# Allegro board RK_EXCAVATOR_MAIN_V12_20161114_FZBFINAL.brd (continued)
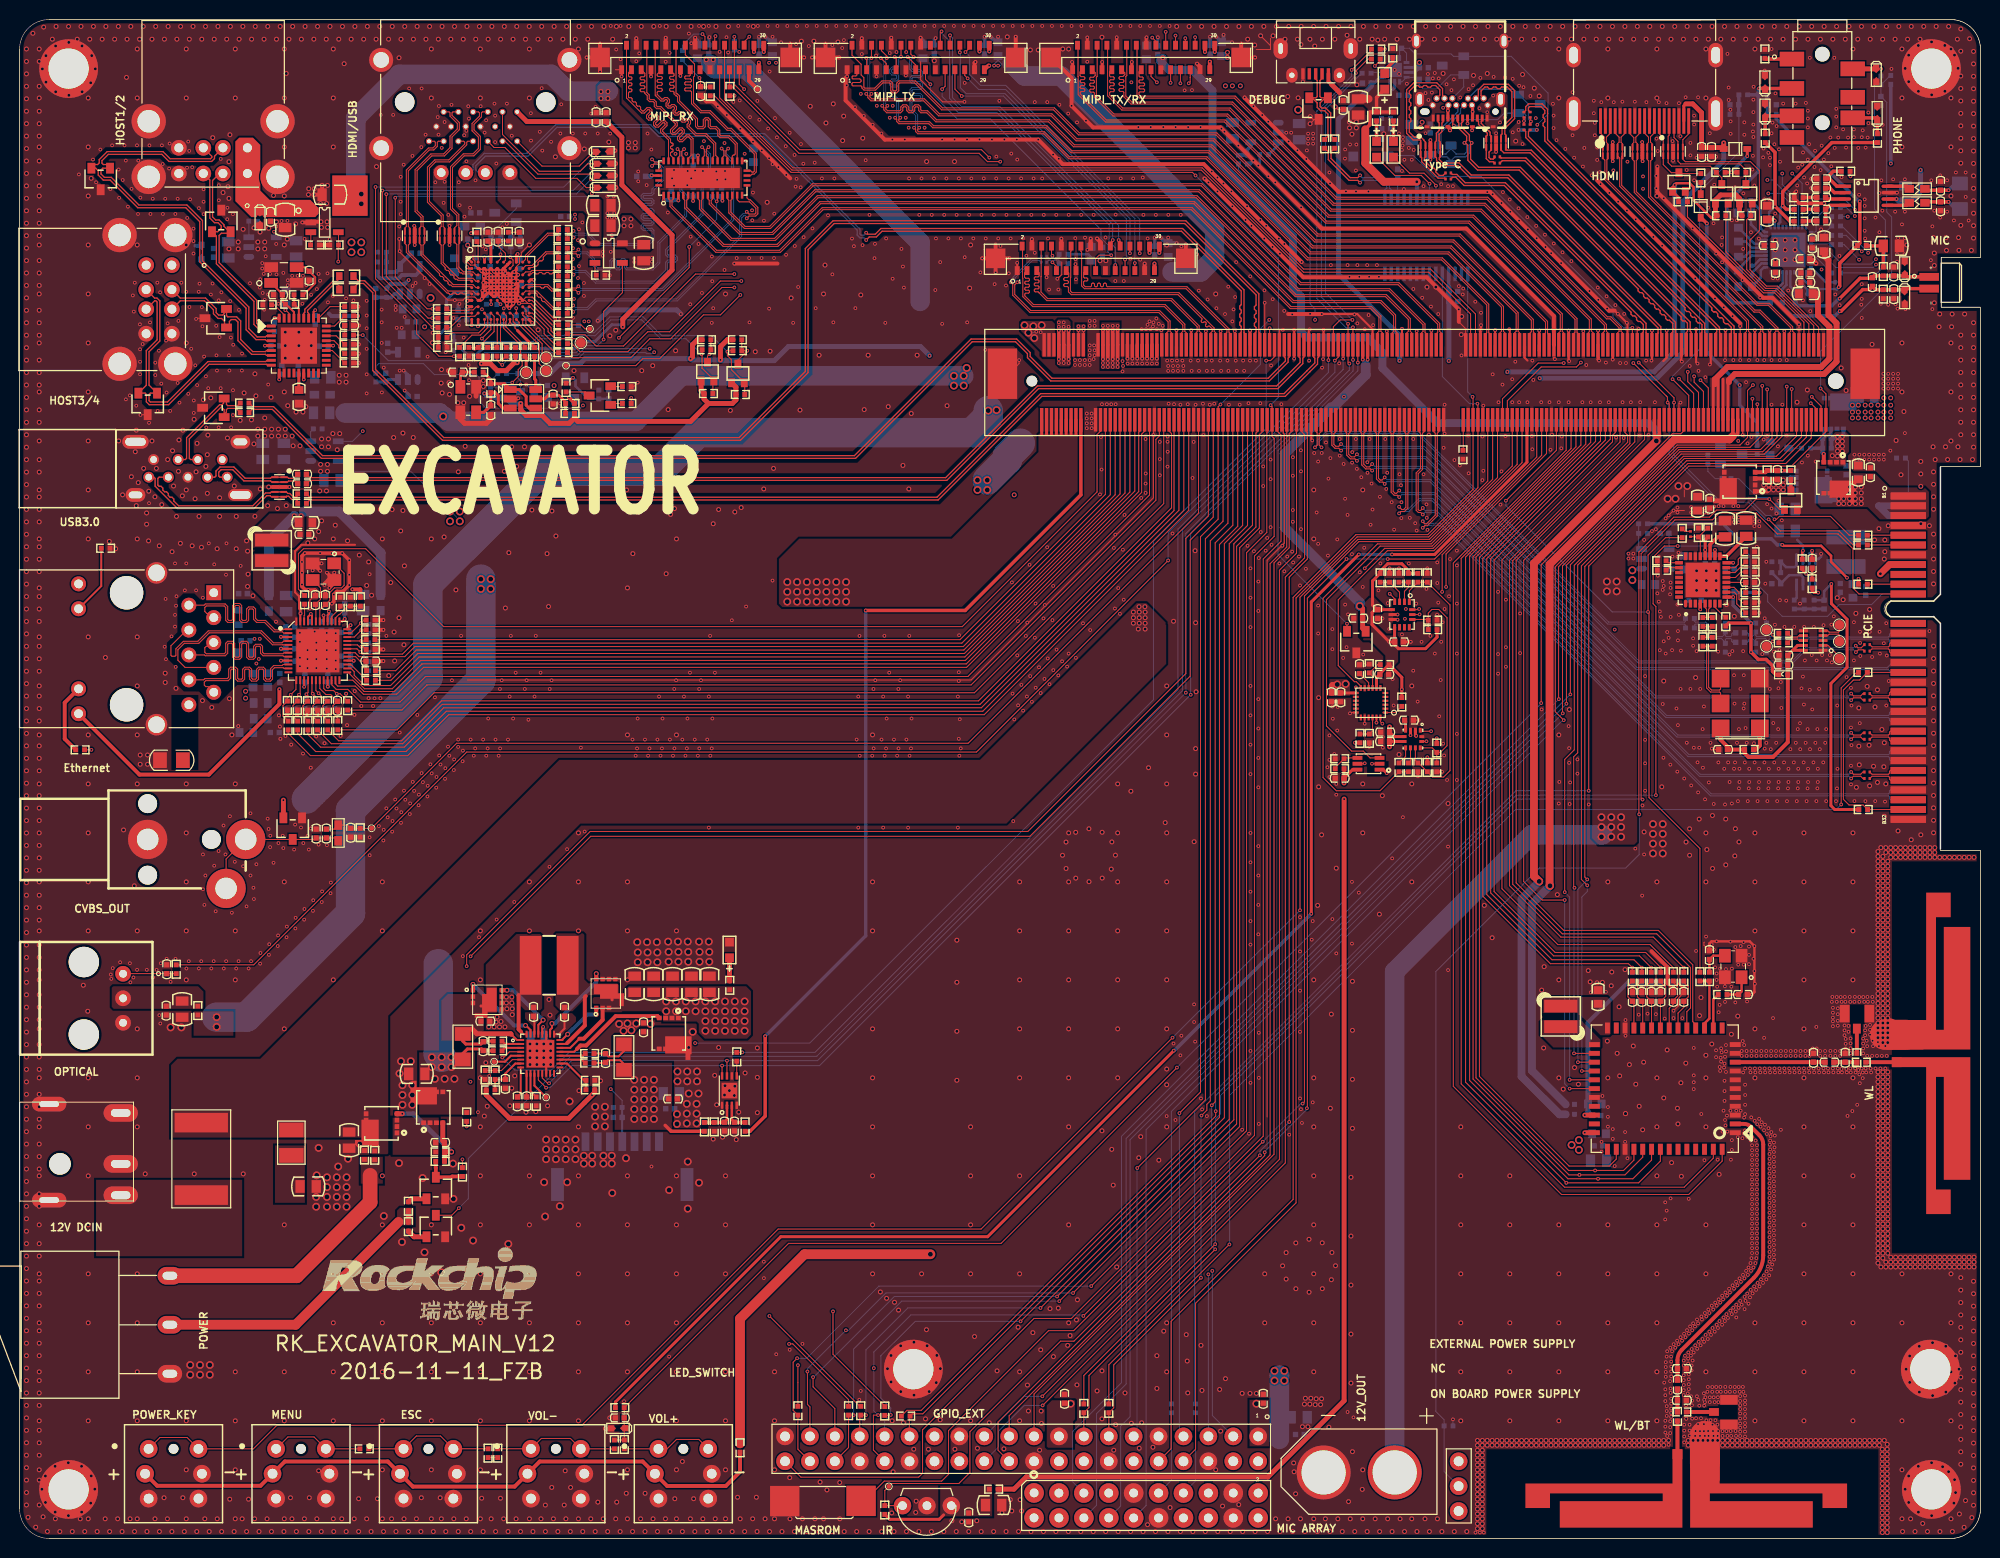
[diagram p0: board, top side]
#MIPI_RX0_D3P: length 17.7
  TOP w0.102: U4601.36 66.69,140.86 66.39,141.16 66.39,141.4 66.48,141.49 66.56,141.49 66.65,141.58 66.65,141.71 66.56,141.8 66.48,141.8 66.39,141.88 66.39,142.01 66.48,142.1 66.56,142.1 66.65,142.19 66.65,142.32 66.56,142.4 66.48,142.4 66.39,142.49 66.39,142.79 65.59,143.6 65.59,143.73 66.04,144.17 66.04,144.47 65.83,144.68 65.53,144.68 65.08,144.23 64.96,144.23 64.87,144.32 64.87,144.44 65.21,144.79 65.21,145.08 65.01,145.29 64.71,145.29 64.37,144.95 64.24,144.95 64.15,145.04 64.15,145.16 64.5,145.51 64.5,145.8 64.29,146.01 63.99,146.01 63.65,145.67 63.52,145.67 63.34,145.85 63.34,146.06 63.23,146.17 63.02,146.17 62.91,146.28 62.91,146.49 62.8,146.6 62.59,146.6 62.48,146.71 62.48,146.92 62.37,147.03 62.16,147.03 62.11,147.08 62.11,147.55 62.2,147.64 62.36,147.64 62.45,147.72 62.45,147.85 62.36,147.94 62.2,147.94 62.11,148.03 62.11,148.16 62.2,148.24 62.36,148.24 62.45,148.33 62.45,148.46 62.36,148.55 62.2,148.55 62.11,148.64 62.11,148.76 62.2,148.85 62.36,148.85 62.45,148.94 62.45,149.07 62.36,149.16 62.2,149.16 62.11,149.25 62.11,149.59 J4601.3
ADKEY_IN: length 163.1
  TOP w0.102: v1(155.2,85.25) 155.2,99.35 168.58,112.73 169.45,112.73 169.75,113.03 J9001.253 ; v1(118.05,48.05) 100.11,30.11 78.44,30.11 R8101.1 C8101.1 ED8101.1 61.67,10.06 R8102.1 R8103.1
  BOTTOM w0.102: v1(118.05,48.05) 155.2,85.2 v1(155.2,85.25)
ALRT_H: length 1.5
  TOP w0.102: U23033.5 R9023.1
BATT_TC_L: length 119.2
  TOP w0.102: J9001.92 128,120.6 127.6,120.2 v1(127.15,120.2)
  S1 w0.102: v1(68.9,50.55) 65,50.55 v1(60.3,45.85)
  BOTTOM w0.102: v1(68.9,50.55) 80.6,50.55 115.65,85.6 115.65,101.77 127.15,113.27 v1(127.15,120.2) ; v1(60.3,45.85) 61.46,44.69 R522.1
  BOTTOM w0.203: R522.1 C521.1 61.47,42.95 BAT501.4
BOARD_ID: length 3.1
  TOP w0.102: J9001.163 147.25,111.07 R9013.1
BT_HOST_WAKE_L: length 107.4
  TOP w0.102: J9001.205 157.75,111.05 146.23,99.54 146.23,46.14 157.27,35.1 170.25,35.1 173.66,38.51 U6101.50
BT_REG_ON_H: length 91
  TOP w0.102: J9001.217 160.75,111.95 148.9,100.11 148.9,47.15 158.05,38 162.15,38 162.86,38.71 U6101.38
BT_WAKE_L: length 104.6
  TOP w0.102: J9001.207 158.25,111.23 147.04,100.02 147.04,46.38 157.58,35.84 169.79,35.84 172.76,38.81 U6101.49
CABC_EN: length 144.9
  TOP w0.102: v1(117.4,148.55) 117.4,148.55 J4702.21 ; v1(169.25,118.35) 170.75,116.85 J9001.257 ; J4701.21 94.4,148.2 v1(94.1,147.9) ; J4601.25 73.4,148.4 v1(73.9,147.9) ; J5001.21 v1(111.75,129.95)
  S1 w0.102: v1(169.25,118.35) 168.93,118.67 157.33,118.67 147.7,128.3 124.32,128.3 123.68,128.93 112.77,128.93 v1(111.75,129.95) ; v1(73.9,147.9) 84.67,147.9 84.89,148.13 92.18,148.13 92.41,147.9 94.1,147.9 v1(94.1,147.9) 94.4,147.9 94.4,147.9 116.8,147.9 117.4,148.5 v1(117.4,148.55)
  BOTTOM w0.102: v1(94.1,147.9) 94.1,147.15 95.75,145.5 99.7,145.5 111.13,134.07 111.13,132.35 111.75,131.73 v1(111.75,129.95)
CDCM61101__REF_CLKN: length 1.8
  TOP w0.102: R8310.1 171.97,93.98 172.07,94.08 172.07,94.83 171.93,94.98 U8302.5
CDCM61101__REF_CLKP: length 1.8
  TOP w0.102: R8311.1 172.38,93.98 172.28,94.08 172.28,94.83 172.43,94.98 U8302.6
CHG_CC_INT_L: length 32
  TOP w0.102: J9001.116 134,123.65 134.7,124.35 v1(135.95,124.35)
  BOTTOM w0.102: v1(135.95,124.35) 133.2,127.1 133.2,145.85 136.87,149.52 R8928.2
CHG_OK_H: length 130.2
  TOP w0.102: v1(134.15,120.2) 134.5,120.55 J9001.118 ; v1(49.23,49.08) 49.23,49.08 49.37,49.08 49.96,49.66 U501.4 ; R9023.2 v1(73.7,49.6)
  BOTTOM w0.102: v1(49.23,49.08) 50.51,47.8 54.25,47.8 56.05,49.6 v1(73.7,49.6) 81.13,49.6 118.15,86.62 118.15,103 134.15,119 v1(134.15,120.2)
CLK125: length 1.8
  TOP w0.102: U2601.46 29.02,94.17 29.07,94.22 R2601.1
CLKN: length 8.8
  TOP w0.102: R9017.2 171.97,91.95 172.07,92.05 172.07,92.27 v1(171.79,92.55) 171.83,92.55 172.07,92.8 172.07,92.98 171.97,93.08 R8310.2
  BOTTOM w0.102: C8308.1 174.74,91.45 174.64,91.55 174.64,91.73 174.54,91.83 174.08,91.83 173.98,91.73 173.98,91.45 ; R8308.2 170.82,93.2 170.92,93.3 171.91,93.3 172.02,93.19 172.02,92.78 v1(171.79,92.55) 172.08,92.26 172.08,92.05 172.3,91.83 173.6,91.83 173.98,91.45 ; 173.98,91.45 R8304.2
CLKP: length 8.7
  TOP w0.102: R8311.2 172.38,93.08 172.28,92.98 172.28,92.73 v1(172.46,92.55) 172.28,92.37 172.28,92.05 172.38,91.95 R9018.2
  BOTTOM w0.102: R8309.2 170.82,93.6 170.92,93.5 172,93.5 172.23,93.27 172.23,92.78 v1(172.46,92.55) 172.29,92.38 172.29,92.13 172.39,92.03 173.68,92.03 173.98,92.33 ; C8309.1 174.74,92.41 174.64,92.31 174.64,92.13 174.54,92.03 174.08,92.03 173.98,92.13 173.98,92.33 ; 173.98,92.33 R8305.2
COMP_INT_L: length 57.2
  TOP w0.102: R8002.1 R8001.2 138.76,76.3 134.3,76.3 132.95,77.65 132.95,95.94 138.5,101.5 143.98,101.5 150.75,108.26 J9001.177
COMP_INT_L#: length 1.6
  TOP w0.102: R8002.2 141.87,79.35 U8001.8
CSI_CTL: length 138.7
  TOP w0.102: R9006.2 79.39,15.9 v1(79.39,17.68) ; v1(61.12,122.52) 68.3,129.7 v1(68.3,131.8) ; v1(71.1,136.45) 71.19,136.54 U4601.12
  S1 w0.102: v1(61.12,122.52) 57.9,119.3 57.9,78.45 78.94,57.41 78.94,18.13 v1(79.39,17.68)
  BOTTOM w0.102: R4604.1 70.65,136.9 v1(71.1,136.45) 71.1,134.6 v1(68.3,131.8)
CVBS_OUT: length 112.1
  TOP w0.102: J9001.61 120.25,104.65 96.75,81.15 44.58,81.15 TP9002.1 35.89,72.47 R9012.1 C9004.1 33.45,72.79 L9001.1 32.09,72.38 C9001.1
DC_DET_H: length 142.8
  TOP w0.102: Q507.3 44.08,32.98 v1(44.8,33.7) ; v1(135,120.4) J9001.120
  BOTTOM w0.102: v1(44.8,33.7) 45.78,34.68 45.78,38.78 56.2,49.2 81.3,49.2 118.6,86.5 118.6,102.9 135,119.3 v1(135,120.4)
DDC_SCL: length 11.1
  TOP w0.102: J4501.15 168.25,143.2 168.15,143.1 U4501.9 U4501.2 168.15,140.4 168.51,140.04 172.44,140.04 R4502.2 173.62,138.86 Q4501.3
DDC_SDA: length 13
  TOP w0.102: J4501.16 168.75,142.97 169.15,142.57 U4501.7 U4501.4 169.15,140.55 169.43,140.27 175.46,140.27 176.09,139.64 R4506.2 176.08,139.41 Q4503.3
DVP_PDN1_H: length 134.8
  TOP w0.102: J9002.22 100.93,7.87 99.8,9 99.8,11.87 127,39.07 v1(127,39.4) ; v1(131.3,43.9) 131.35,43.95 131.35,95.95 v1(135.35,99.95) ; J9001.193 154.75,110.36 144.34,99.95 v1(139.55,99.95)
  BOTTOM w0.102: v1(131.3,43.9) 131.3,43.78 127,39.48 v1(127,39.4) ; v1(139.55,99.95) v1(135.35,99.95)
EDP_AUXN: length 2.9
  TOP w0.102: J5001.8 105.25,131 v1(105.35,130.9)
  BOTTOM w0.102: R5002.1 106.04,130.77 105.94,130.67 105.69,130.67 105.68,130.67 105.58,130.67 v1(105.35,130.9) 105.1,130.65 104.95,130.65 C5002.1
EDP_AUXP: length 2.9
  TOP w0.102: J5001.9 105.75,129.83 v1(105.35,130.23)
  BOTTOM w0.102: C5001.2 104.96,130.44 105.15,130.44 v1(105.35,130.23) 105.58,130.46 105.77,130.46 105.77,130.47 105.94,130.47 106.04,130.37 R5001.2
EDP_TX0N: length 24.8
  TOP w0.102: J9001.54 118.5,123.03 118.65,123.18 118.65,123.83 116.77,125.71 103.34,125.71 102.33,126.72 102.33,128.61 102.3,128.63 102.3,131.84 J5001.2
EDP_TX0P: length 24.6
  TOP w0.102: J5001.3 102.5,129.14 102.5,128.72 102.62,128.6 102.91,128.6 103,128.51 103,128.39 102.91,128.3 102.62,128.3 102.53,128.21 102.53,128.08 102.62,127.99 102.91,127.99 103,127.9 103,127.78 102.91,127.69 102.62,127.69 102.53,127.6 102.53,127.47 102.62,127.38 102.91,127.38 103,127.29 103,127.17 102.91,127.08 102.62,127.08 102.53,126.99 102.53,126.81 103.42,125.91 116.85,125.91 118.85,123.91 118.85,123.18 119,123.03 J9001.56
EDP_TX1N: length 24.1
  TOP w0.102: J9001.60 120,123.03 120.11,123.14 120.11,123.65 117.44,126.32 104.78,126.32 103.98,127.12 103.98,127.13 103.89,127.22 103.59,127.22 103.5,127.31 103.5,127.43 103.59,127.52 103.89,127.52 103.98,127.61 103.98,127.74 103.89,127.83 103.59,127.83 103.5,127.92 103.5,128.04 103.59,128.13 103.89,128.13 103.98,128.22 103.98,128.35 103.89,128.44 103.59,128.44 103.5,128.53 103.5,128.65 103.59,128.74 103.89,128.74 104,128.85 104,129.14 J5001.5
EDP_TX1P: length 24.3
  TOP w0.102: J5001.6 104.2,131.83 104.2,128.76 104.18,128.75 104.18,127.21 104.86,126.52 117.53,126.52 120.32,123.73 120.32,123.21 120.5,123.03 J9001.62
EDP_TX2N: length 22.4
  TOP w0.102: J5001.11 107.01,129.13 107.01,128.79 106.89,128.67 106.59,128.67 106.5,128.58 106.5,128.45 106.59,128.37 106.89,128.37 106.98,128.28 106.98,128.15 106.89,128.06 106.59,128.06 106.5,127.97 106.5,127.85 106.59,127.76 106.89,127.76 106.98,127.67 106.98,127.22 107.27,126.93 118.16,126.93 120.6,124.49 120.6,124.37 120.53,124.3 120.53,124.17 120.62,124.08 120.74,124.08 120.81,124.15 120.94,124.15 121.03,124.06 121.03,123.93 120.96,123.87 120.96,123.74 121.05,123.65 121.18,123.65 121.24,123.72 121.37,123.72 121.65,123.44 121.65,123.18 121.5,123.03 J9001.66
EDP_TX2P: length 22.6
  TOP w0.102: J9001.68 122,123.03 121.85,123.18 121.85,123.52 118.24,127.13 107.36,127.13 107.18,127.31 107.18,128.68 107.22,128.71 107.22,131.37 107.25,131.4 J5001.12
EDP_TX3N: length 22.4
  TOP w0.102: J9001.72 123,122.95 123.15,123.1 123.15,123.37 118.97,127.54 108.61,127.54 108.33,127.82 108.33,131.27 108.25,131.35 J5001.14
EDP_TX3P: length 22.1
  TOP w0.102: J5001.15 108.53,129.16 108.53,128.72 108.62,128.63 108.86,128.63 108.95,128.54 108.95,128.42 108.86,128.33 108.62,128.33 108.53,128.24 108.53,127.91 108.7,127.74 109.24,127.74 109.33,127.83 109.33,128.01 109.42,128.1 109.55,128.1 109.64,128.01 109.64,127.83 109.73,127.74 109.85,127.74 109.94,127.83 109.94,128.01 110.03,128.1 110.16,128.1 110.25,128.01 110.25,127.83 110.34,127.74 110.46,127.74 110.55,127.83 110.55,128.01 110.64,128.1 110.77,128.1 110.86,128.01 110.86,127.83 110.95,127.74 119.06,127.74 123.35,123.45 123.35,123.1 123.5,122.95 J9001.74
EDPAUXN: length 25.2
  TOP w0.102: v1(101.1,128.19) 101.3,127.99 101.3,126.86 103.06,125.1 116.2,125.1 117.15,124.15 117.15,123.18 117,123.03 J9001.48
  BOTTOM w0.102: C5002.2 103.99,130.64 103.25,130.64 101.33,128.72 101.33,128.43 v1(101.1,128.19)
EDPAUXP: length 24.9
  TOP w0.102: J9001.50 117.5,123.03 117.35,123.18 117.35,124.24 116.28,125.3 103.15,125.3 101.5,126.95 101.5,127.93 v1(101.76,128.19)
  BOTTOM w0.102: C5001.1 103.99,130.44 103.34,130.44 101.53,128.63 101.53,128.43 v1(101.76,128.19)
ENSWREG: length 3.4
  TOP w0.102: U2601.38 32.22,93.94 32.58,94.3 32.65,94.3 33.49,95.14 R2631.1 R2629.2
GPIO2_A0/CIF_D0: length 141.7
  TOP w0.102: v1(122.49,115.72) 122.25,115.49 J9001.69 122.25,104.02 120.45,102.22 120.45,45.55 v1(118.3,43.4)
  S1 w0.102: v1(127.46,124.36) v1(132.14,124.36)
  BOTTOM w0.102: R89549.1 124.32,139.7 131.63,132.38 131.63,125.98 132.14,125.48 v1(132.14,124.36) ; J9002.7 118.3,10.83 v1(118.3,43.4) ; v1(122.49,115.72) 126.55,119.79 126.55,123.44 v1(127.46,124.36)
GPIO2_A1/CIF_D1: length 107.5
  TOP w0.102: v1(114,37.8) 120.95,44.75 120.95,102.02 122.75,103.81 J9001.71
  BOTTOM w0.102: v1(114,37.8) 113.98,37.78 113.98,10.75 J9002.11
GPIO2_A2/CIF_D2: length 108.8
  TOP w0.102: v1(120.55,43.15) 121.1,43.7 121.1,44.3 121.45,44.65 121.45,101.81 123.25,103.61 J9001.73 ; v1(120.5,26.6) 111.6,17.7 111.6,13.32 R9007.1 111.1,10.42 J9002.13
  BOTTOM w0.102: v1(120.55,43.15) 120.5,43.1 v1(120.5,26.6)
GPIO2_A3/CIF_D3: length 110.3
  TOP w0.102: J9002.15 108.55,10.42 R9008.1 109.08,13.35 109.08,16.63 v1(121.95,29.5) ; v1(121.6,44.2) 121.95,44.55 121.95,101.6 123.75,103.4 J9001.75
  BOTTOM w0.102: v1(121.6,44.2) 121.6,44 121.58,43.98 121.58,29.87 v1(121.95,29.5)
GPIO2_A4/CIF_D4: length 118.3
  TOP w0.102: J9001.77 124.25,103.29 122.38,101.43 122.38,42.97 92.13,12.71 91.06,12.71 R9009.1 90.75,12.41 90.75,10.44 J9002.29
GPIO2_A5/CIF_D5: length 126.6
  TOP w0.102: v1(102.1,22.15) 122.88,42.93 122.88,101.52 124.75,103.39 J9001.79 ; R89543.1 88.81,12.55 v1(88.86,12.6)
  BOTTOM w0.102: J9002.31 88.23,11.98 v1(88.86,12.6) 88.86,13.31 87.84,14.33 87.84,18.64 91.35,22.15 v1(102.1,22.15)
GPIO2_A6/CIF_D6: length 128.4
  TOP w0.102: J9001.81 125.25,103.38 123.38,101.51 123.38,42.77 v1(104.13,23.52) ; v1(86.33,12.58) R9001.1 85.69,12.47 J9002.33
  BOTTOM w0.102: v1(86.33,12.58) 86.33,19.25 90.6,23.52 v1(104.13,23.52)
GPIO2_A7/CIF_D7: length 250.3
  TOP w0.102: J9001.83 125.75,103.4 123.85,101.5 123.85,42.72 v1(105.82,24.69) ; v1(80.93,16.46) 80.93,15.47 83.15,13.24 J9002.35
  S1 w0.102: v1(51.1,117.75) 51.1,117.01 56.04,112.06 56.04,78.54 77.78,56.79 77.78,18.59 79.92,16.46 v1(80.93,16.46)
  BOTTOM w0.102: R89537.2 R89538.2 50.81,118.41 51.1,118.13 v1(51.1,117.75) Q8503.3 ; v1(105.82,24.69) 89.22,24.69 80.99,16.46 v1(80.93,16.46)
GPIO2_B0/CIF_VSYNC: length 242.5
  TOP w0.102: v1(107.45,25.04) 124.45,42.04 124.45,101.1 126.45,103.1 126.45,112.65 126.75,112.95 J9001.87 ; R89535.2 R89534.2 v1(74.23,121.21) 73.27,120.25 Q8502.3 ; J9002.37 80.61,13.42 80.36,13.68 v1(80.36,17.03)
  S1 w0.102: v1(84.28,21.23) 84.18,21.34 84.18,59.54 75.34,68.38 75.34,106.17 73.62,107.9 73.62,120.6 v1(74.23,121.21)
  BOTTOM w0.102: v1(80.36,17.03) 80.36,17.31 v1(84.28,21.23) 84.56,21.23 88.38,25.05 107.44,25.05 v1(107.45,25.04)
GPIO2_B1/CIF_HREF: length 133.9
  TOP w0.102: v1(85.07,12.58) R9005.1 84.55,9.27 J9002.36 ; J9001.85 126.25,112.95 126.1,112.8 126.1,103.22 124.13,101.25 124.13,42.3 v1(106.05,24.21)
  BOTTOM w0.102: v1(106.05,24.21) 89.96,24.21 85.07,19.33 v1(85.07,12.58)
GPIO2_B2/CIF_CLKI: length 140.3
  TOP w0.102: J9002.38 79.39,9.1 R9006.1 78.9,13.07 78.9,17.98 v1(79.31,18.39) ; J9001.89 127.25,112.9 127.22,112.87 127.22,102.67 125.15,100.6 125.15,41.6 v1(109.3,25.75)
  BOTTOM w0.102: v1(79.31,18.39) 80.29,18.39 87.64,25.74 109.29,25.74 v1(109.3,25.75)
GPIO2_B3/CIF_CLKO: length 221.3
  TOP w0.102: R4601.1 70.88,147.23 78.69,139.41 119.63,139.41 v1(119.95,139.09) ; v1(127.6,115.65) 127.75,115.5 J9001.91 127.75,112.45 127.97,112.23 127.97,102.27 125.95,100.25 125.95,41.12 107.28,22.45 103.46,22.45 92.1,11.09 92.1,6.65 91.7,6.25 79.7,6.25 J9002.40
  BOTTOM w0.102: v1(127.6,115.65) 128.4,116.45 128.4,130.64 v1(119.95,139.09)
GPIO2_B4/DVP_PDN0_H: length 248.1
  TOP w0.102: v1(87.57,12.58) 87.09,12.58 87.09,9.02 J9002.32 ; J9001.93 128.25,113.02 128.67,112.6 128.67,101.77 126.85,99.95 126.85,41.05 v1(108.5,22.7) ; R89532.2 R89531.2 70.37,121.17 v1(70.37,120.85) 70.16,120.65 Q237.3
  S1 w0.102: v1(87.13,17.37) 83.68,20.83 83.68,59.33 75.04,67.97 75.04,105.97 73.31,107.7 73.31,117.91 v1(70.37,120.85)
  BOTTOM w0.102: v1(87.57,12.58) 87.13,13.02 v1(87.13,17.37) 87.13,19.03 90.9,22.8 108.4,22.8 v1(108.5,22.7)
GSENSOR_INT_L: length 39
  TOP w0.102: J9001.187 153.25,109.79 144.26,100.8 139.52,100.8 134.5,95.78 134.5,89.08 136.15,87.43 136.35,87.43 136.8,86.98 U8002.12
GYR_INT_L: length 29.2
  TOP w0.102: v1(139.75,96.4) 140.25,95.9 U8003.4 ; v1(137.2,99) 139.24,101.04 144.17,101.04 152.75,109.61 J9001.185
  S1 w0.102: v1(137.2,99) 139.75,96.45 v1(139.75,96.4)
HALL_INT_L: length 35.5
  TOP w0.102: U8004.2 v1(135.4,93.35) ; J9001.126 v1(136.5,120)
  BOTTOM w0.102: v1(135.4,93.35) 128.36,100.38 128.36,111.03 136.5,119.17 v1(136.5,120)
HDMI_CEC: length 21.3
  TOP w0.102: J9001.300 182,124.13 179.01,127.11 177.87,127.11 170.11,134.87 R4503.2 170.11,137.26 Q4502.2
HDMI_RX0+: length 20.3
  TOP w0.102: U8503.D1 46.02,128.4 44.72,128.4 44.61,128.5 44.45,128.5 44.3,128.65 44.3,128.81 44.16,128.95 44,128.95 43.85,129.1 43.85,129.26 43.71,129.4 43.55,129.4 43.4,129.55 43.4,129.71 43,130.11 43,131.99 42.85,132.14 U8505.1 U8505.10 42.85,133.74 43,133.88 43,134.96 41.6,136.37 41.6,139.93 42.34,140.68 43.78,140.68 45.4,142.3 45.4,142.48 45.3,142.58 J8501.7
HDMI_RX0-: length 20.5
  TOP w0.102: J8501.9 45.71,142.58 45.61,142.48 45.61,142.22 43.86,140.48 42.43,140.48 41.8,139.85 41.8,136.45 43.21,135.04 43.21,133.88 43.35,133.74 U8505.9 U8505.2 43.35,132.14 43.21,131.99 43.21,130.19 44.8,128.6 46.24,128.6 46.55,128.3 U8503.D2
HDMI_RX1+: length 25.3
  TOP w0.102: U8503.E1 46.02,127.75 44.15,127.75 43.99,127.91 43.84,127.91 43.7,128.05 43.7,128.2 43.55,128.35 43.4,128.35 43.26,128.49 43.26,128.64 43.12,128.78 42.97,128.78 42.82,128.93 42.82,129.08 40.95,130.95 40.95,131.99 40.8,132.14 U8504.4 U8504.7 40.8,133.74 40.95,133.88 40.95,134.82 40.34,135.42 40.34,139.68 41.95,141.29 43.25,141.29 43.9,141.94 43.9,143.1 44.65,143.85 44.65,144.4 43.9,145.15 43.9,145.48 43.8,145.58 J8501.4
HDMI_RX1-: length 25.4
  TOP w0.102: J8501.6 44.21,145.58 44.11,145.48 44.11,145.23 44.85,144.49 44.85,143.76 44.1,143.02 44.1,141.85 43.34,141.09 42.04,141.09 40.54,139.59 40.54,135.51 41.15,134.9 41.15,133.88 41.3,133.74 U8504.6 U8504.5 41.3,132.14 41.15,131.99 41.15,131.04 44.24,127.95 46.24,127.95 46.55,127.65 U8503.E2
HDMI_RX2+: length 22.3
  TOP w0.102: U8503.F1 46.02,127.1 45.64,127.1 45.54,127 45.24,127 45.14,127.1 44.94,127.1 44.79,126.95 44.59,126.95 44.44,127.1 44.24,127.1 44.09,126.95 43.89,126.95 43.74,127.1 43.6,127.1 41.84,128.86 39.45,131.25 39.45,131.99 39.3,132.14 U8504.1 U8504.10 39.3,133.74 39.45,133.88 39.45,139.65 41.7,141.9 42.16,141.9 42.4,142.14 42.4,142.48 42.3,142.58 J8501.1
HDMI_RX2-: length 22.4
  TOP w0.102: U8503.F2 46.55,127 46.24,127.3 43.69,127.3 39.65,131.34 39.65,131.99 39.8,132.14 U8504.2 U8504.9 39.8,133.74 39.65,133.88 39.65,139.56 41.78,141.7 42.25,141.7 42.61,142.06 42.61,142.48 42.71,142.58 J8501.3
HDMI_RXC+: length 21.2
  TOP w0.102: J8501.10 46.8,145.58 46.9,145.48 46.9,145.15 46.15,144.4 46.15,143.65 46.8,143 46.8,141.85 46.25,141.3 45.26,141.3 43.95,139.99 43.95,135.66 44.6,135.02 44.6,133.98 44.35,133.74 U8505.7 U8505.4 44.35,132.3 44.6,132.05 44.6,129.65 44.8,129.45 44.8,129.3 44.95,129.15 45.1,129.15 45.2,129.05 46.02,129.05 U8503.C1
HDMI_RXC-: length 21.4
  TOP w0.102: U8503.C2 46.55,128.95 46.24,129.25 45.29,129.25 44.8,129.74 44.8,132.1 44.85,132.15 U8505.5 U8505.6 44.85,133.74 44.8,133.79 44.8,135.1 44.15,135.75 44.15,139.9 45.35,141.1 46.33,141.1 47,141.76 47,143.09 46.35,143.74 46.35,144.31 47.11,145.07 47.11,145.48 47.21,145.58 J8501.12
HDMI_TX0N: length 29.5
  TOP w0.102: J4501.9 165.25,143.4 164.85,143 164.85,142.5 165.02,142.33 U4503.9 U4503.2 165.02,140.73 164.9,140.62 164.9,137.45 177,125.35 177.54,125.35 179.35,123.54 179.35,123.18 179.5,123.03 J9001.290
HDMI_TX0P: length 29.5
  TOP w0.102: J4501.7 164.25,143.35 164.65,142.95 164.65,142.46 164.52,142.33 U4503.10 U4503.1 164.52,140.73 164.7,140.55 164.7,137.36 176.92,125.15 177.45,125.15 179.15,123.45 179.15,123.18 179,123.03 J9001.288
HDMI_TX1N: length 29.1
  TOP w0.102: J4501.6 163.75,143.4 163.35,143 163.35,142.47 163.49,142.33 U4502.6 U4502.5 163.41,141.02 163.41,138.08 177.8,123.68 177.8,123.13 178,122.94 J9001.284
HDMI_TX1P: length 29.2
  TOP w0.102: J9001.282 177.5,123.06 177.6,123.16 177.6,123.6 163.21,137.99 163.21,140.87 U4502.4 U4502.7 162.99,142.33 163.15,142.5 163.15,143 162.75,143.4 J4501.4
HDMI_TX2N: length 29.1
  TOP w0.102: J9001.278 176.5,123.03 176.35,123.18 176.35,124.27 161.9,138.73 161.9,140.7 161.99,140.79 U4502.2 U4502.9 161.99,142.33 161.85,142.47 161.85,143 162.25,143.4 J4501.3
HDMI_TX2P: length 29.2
  TOP w0.102: J9001.276 176,123.03 176.15,123.18 176.15,124.19 161.7,138.64 161.7,140.65 161.49,140.86 U4502.1 U4502.10 161.49,142.33 161.65,142.49 161.65,143 161.25,143.4 J4501.1
HDMI_TXCN: length 29.9
  TOP w0.102: J4501.12 166.75,143.45 166.35,143.05 166.35,142.5 166.52,142.33 U4503.6 U4503.5 166.52,140.73 166.37,140.59 166.37,136.97 177.29,126.04 178.46,126.04 180.85,123.65 180.85,123.18 181,123.03 J9001.296
HDMI_TXCP: length 29.9
  TOP w0.102: J9001.294 180.5,123.03 180.65,123.18 180.65,123.57 178.37,125.84 177.21,125.84 166.17,136.88 166.17,140.59 166.02,140.73 U4503.4 U4503.7 166.02,142.33 166.15,142.46 166.15,143 165.75,143.4 J4501.10
HDMIIN_CEC: length 48.6
  TOP w0.102: R8521.1 v1(42.12,125.49) 41.56,125.49 38.32,128.73 v1(38.32,136.82) ; v1(58.37,137.26) ED8501.1 57.8,137.85 56.85,138.8 52.65,138.8 49.5,141.95 48.39,141.95 J8501.13
  BOTTOM w0.102: v1(38.32,136.82) 38.45,136.96 58.07,136.96 v1(58.37,137.26) ; R8520.2 v1(42.12,125.49)
HDMIIN_DDC_SCL: length 49.5
  TOP w0.102: v1(58.28,138.68) 58.57,138.68 ED8502.1 58.8,139.23 52.87,139.23 49.52,142.58 J8501.15 ; v1(37.4,137.18) 37.4,137.18 37.4,128.8 41.66,124.54 v1(42.1,124.54) R8517.1
  BOTTOM w0.102: v1(58.28,138.68) 56.8,137.21 37.43,137.21 v1(37.4,137.18) ; R8516.2 v1(42.1,124.54)
HDMIIN_DDC_SDA: length 54.4
  TOP w0.102: R8513.1 v1(42.1,123.59) 37,128.69 v1(37,137.55) ; v1(58.32,139.82) 58.49,139.82 ED8503.1 57.95,140.29 57.19,139.52 53,139.52 49.25,143.27 J8501.16
  BOTTOM w0.102: v1(58.32,139.82) 58.32,139.42 56.45,137.55 v1(37,137.55) ; R8512.2 v1(42.1,123.59)
HDMIIN_HPD: length 56.7
  TOP w0.102: v1(58.78,140.94) 58.78,141.18 58.86,141.26 ED8504.1 58.55,141.51 57.09,140.05 53.29,140.05 J8501.19 ; R8527.1 v1(44.3,120.65) 42.78,120.65 40.5,122.94 40.5,124.35 36.31,128.54 v1(36.31,137.91)
  BOTTOM w0.102: R8505.2 v1(44.3,120.65) ; v1(36.31,137.91) 55.51,137.91 58.52,140.92 58.76,140.92 v1(58.78,140.94)
HDMIIN_INT: length 36.3
  TOP w0.102: U8503.J4 48.4,124.72 48.4,123.16 R8533.1 46.52,121.55 v1(46.39,121.41) 46.25,121.55 R8537.2 ; R89533.2 70.71,118.03 Q237.2 70.81,118.22 69.61,119.42 69.61,120.8 v1(69.55,120.85) 69.61,120.91 R89531.1
  BOTTOM w0.102: v1(46.39,121.41) 46.79,121.82 52.48,121.82 53.09,122.43 55.84,122.43 56.14,122.73 58.68,122.73 60.31,124.36 63.46,124.36 65.39,122.43 67.98,122.43 v1(69.55,120.85)
HDMIIN_PWREN: length 136.7
  TOP w0.102: R9001.2 85.7,13.48 v1(76.48,22.7)
  S1 w0.102: v1(39.68,128.42) 39.68,128.14 39.7,128.12 39.7,116.47 54.71,101.46 54.71,78.1 76.48,56.32 v1(76.48,22.7)
  BOTTOM w0.381: v1(39.68,128.42) 39.28,128.02 37.83,128.02 37.45,127.64 R8946.1
HDMIIN_PWREN18: length 139.6
  TOP w0.102: R9005.2 84.55,14.16 78.86,19.85 v1(78.49,19.85)
  S1 w0.102: v1(78.49,19.85) 78.49,57.15 56.71,78.93 56.71,114.87 v1(57.46,115.62)
  BOTTOM w0.102: R89527.1 36.33,119.58 36.63,119.89 41.21,119.89 42.32,118.77 46.59,118.77 46.87,118.49 46.87,116.05 47.58,115.34 57.18,115.34 v1(57.46,115.62)
HDMIIN_PWREN33: length 114.4
  TOP w0.102: R8545.1 v1(62.38,116.39) ; v1(82.96,23.16) 82.96,18.8 88.25,13.51 R89543.2
  S1 w0.102: v1(62.38,116.39) 64.47,114.3 64.47,95.5 71.48,88.49 71.48,70.92 83.17,59.23 83.17,23.37 v1(82.96,23.16)
HDMIIN_RST: length 11.8
  TOP w0.102: U8503.K6 49.37,123.51 51.1,121.78 51.1,120.29 51.26,120.13 51.26,119.68 50.86,119.28 50.86,118.57 v1(50.25,117.96)
  BOTTOM w0.102: R89537.1 48.01,118.1 R89539.2 49,117.49 Q8503.2 49.46,117.96 v1(50.25,117.96)
HDMIIN_STBY: length 35.7
  TOP w0.102: U8503.K4 48.07,123.37 v1(47.15,122.45) ; R89536.2 73.97,117.89 Q8502.2 73.92,117.96 72.6,119.28 72.6,120.29 72.19,120.7 v1(72.19,121.11) 72.3,121.21 R89534.1
  BOTTOM w0.102: v1(72.19,121.11) 70.57,122.73 65.51,122.73 63.58,124.66 60.21,124.66 58.58,123.04 55.84,123.04 55.53,122.73 52.97,122.73 52.36,122.12 47.48,122.12 v1(47.15,122.45)
HOST0_DM: length 128.8
  TOP w0.127: R8904.2 34.06,127.61 34.52,128.07 35.08,128.07 36.02,127.13 36.02,119.18 43.14,112.06 73.52,112.06 80.42,118.97 80.42,131.52 83.09,134.19 118.84,134.19 126.12,126.9 126.12,125.87 125.95,125.7 125.95,125.44 126.12,125.27 126.12,125.02 125.95,124.85 125.95,124.6 126.12,124.42 126.12,124.17 125.95,124 125.95,123.75 126.12,123.58 126.12,123.12 126,123 J9001.84
HOST0_DP: length 128.7
  TOP w0.127: R8903.2 34.53,128.35 35.2,128.35 35.28,128.27 36.3,127.25 36.3,119.3 43.26,112.34 73.4,112.34 80.14,119.09 80.14,131.64 82.97,134.47 118.95,134.47 126.4,127.02 126.4,123.1 126.5,123 J9001.86
HOST1_DM: length 95.1
  TOP w0.127: J9001.78 124.5,123 124.61,123.11 124.61,123.68 124.53,123.76 124.45,123.84 124.45,124.1 124.61,124.26 124.61,124.51 124.53,124.59 124.45,124.67 124.45,124.92 124.61,125.08 124.61,125.34 124.45,125.5 124.45,125.75 124.61,125.91 124.61,127.3 118.51,133.4 87.97,133.4 87.39,132.82 86.67,132.82 v1(86.35,132.5)
  BOTTOM w0.127: v1(86.35,132.5) 86.13,132.72 85.72,132.72 85.43,133.01 85.43,133.52 75.87,143.08 65.17,143.08 64.25,144 54.8,144 51.87,141.07 47.52,141.07 46.53,140.08 46.53,139.67 46.82,139.38 J8501.27
HOST1_DP: length 95.4
  TOP w0.127: v1(86.35,133.25) 86.5,133.1 87.28,133.1 87.86,133.68 118.63,133.68 124.89,127.42 124.89,123.06 125,122.95 J9001.80
  BOTTOM w0.127: J8501.28 45.98,139.38 46.25,139.65 46.25,140.2 47.4,141.35 51.75,141.35 54.68,144.28 64.36,144.28 65.29,143.36 75.99,143.36 85.71,133.63 85.71,133.13 85.84,133 86.1,133 v1(86.35,133.25)
HOST_D1M: length 21.2
  TOP w0.127: J8901.A2 20.4,139.3 19.68,138.58 19.68,134.87 20,134.55 20.36,134.55 20.85,134.06 20.85,133.91 21.41,133.35 U8903.2 21.37,133.2 20.58,133.2 20.35,132.97 20.35,130.2 24.18,126.37 24.18,124.01 24.56,123.63 25.08,123.63 25.18,123.73 U8904.1
HOST_D1P: length 20.9
  TOP w0.127: J8901.A3 19.4,138.63 19.4,134.75 19.88,134.27 20.24,134.27 20.57,133.94 20.57,133.72 20.2,133.35 U8903.1 19.62,133.35 20.07,132.9 20.07,130.08 23.9,126.25 23.9,123.89 24.44,123.35 25.11,123.35 25.23,123.23 U8904.2
HOST_D2M: length 44.3
  TOP w0.127: U8904.3 25.19,122.73 25.08,122.62 24.23,122.62 23.38,123.47 23.38,125.67 18.65,130.39 18.65,134.49 17.07,136.08 12.17,136.08 9.35,138.9 8.65,138.9 8.3,139.25 8.3,139.66 8.48,139.84 U8902.1 8.85,140.21 8.54,140.21 8.4,140.35 8.4,140.6 9.05,141.25 14.5,141.25 15.23,140.52 19.59,140.52 19.88,140.81 19.88,141.05 J8901.B2
HOST_D2P: length 44.5
  TOP w0.127: J8901.B3 19.6,141.05 19.6,140.93 19.47,140.8 15.35,140.8 14.62,141.53 8.93,141.53 8.12,140.72 8.12,140.37 7.96,140.21 7.69,140.21 U8902.2 7.76,139.84 8.02,139.58 8.02,139.13 8.53,138.62 9.23,138.62 12.05,135.8 16.95,135.8 18.37,134.38 18.37,130.28 23.1,125.55 23.1,123.35 24.11,122.34 25.08,122.34 25.19,122.23 U8904.4
HOST_D3M: length 15.2
  TOP w0.127: U8904.6 25.19,121.23 25.08,121.12 23.78,121.12 22.55,122.35 22.55,124.25 22.14,124.66 21.23,124.66 21.1,124.79 U8907.2 20.85,125.22 20.85,124.98 20.72,124.85 20.3,124.85 20.05,125.1 20.05,125.5 18.97,126.58 16.39,126.58 J8902.A2
HOST_D3P: length 15.3
  TOP w0.127: J8902.A3 16.39,126.3 18.85,126.3 19.77,125.38 19.77,124.98 20.25,124.5 20.6,124.5 20.9,124.2 20.9,123.78 U8907.1 21.4,123.87 21.4,124.2 21.58,124.38 22.02,124.38 22.27,124.13 22.27,122.23 23.67,120.84 25.08,120.84 25.19,120.73 U8904.7
HOST_D4M: length 27.9
  TOP w0.127: J8902.B2 13.77,126.58 14.01,126.58 14.3,126.29 14.3,122.2 13.2,121.1 13.2,117.7 U8906.1 13.33,116.88 13.21,116.75 13.21,116.11 13.33,115.98 15.08,115.98 19.2,120.1 25.11,120.1 25.24,120.23 U8904.8
HOST_D4P: length 27.9
  TOP w0.127: J8902.B3 13.77,126.3 13.9,126.3 14.02,126.18 14.02,122.32 12.92,121.22 12.92,117.68 U8906.2 12.8,116.88 12.93,116.75 12.93,115.99 13.22,115.7 15.2,115.7 19.32,119.82 25.18,119.82 25.27,119.73 U8904.9
HP_DET_H: length 176.9
  TOP w0.102: v1(160.05,76.3) 160.05,99.23 170.26,109.43 180.73,109.43 184.25,112.95 J9001.311 184.25,116.8 v1(183.7,117.35)
  BOTTOM w0.102: v1(160.05,76.3) 152.62,76.3 119.85,43.53 119.85,13.82 R7105.1 ; R89545.2 190.8,149.29 R7121.1 C7123.1 190.45,146.55 190.45,135.35 190.95,134.85 190.95,128.4 183.7,121.15 v1(183.7,117.35)
HP_HOOK: length 36.7
  TOP w0.102: J9001.255 170.25,116.65 v1(168.6,118.3)
  BOTTOM w0.102: R7118.2 175.36,141.46 171.36,137.46 171.36,121.36 168.6,118.6 v1(168.6,118.3)
  BOTTOM w0.35: R7118.2 175.35,145.34 175.35,146.25 175.36,146.26 C7119.2 R7120.1
